# Altium PCB PCB-Tester-Relay-Board.PcbDoc (part 2 of 4) (continued)
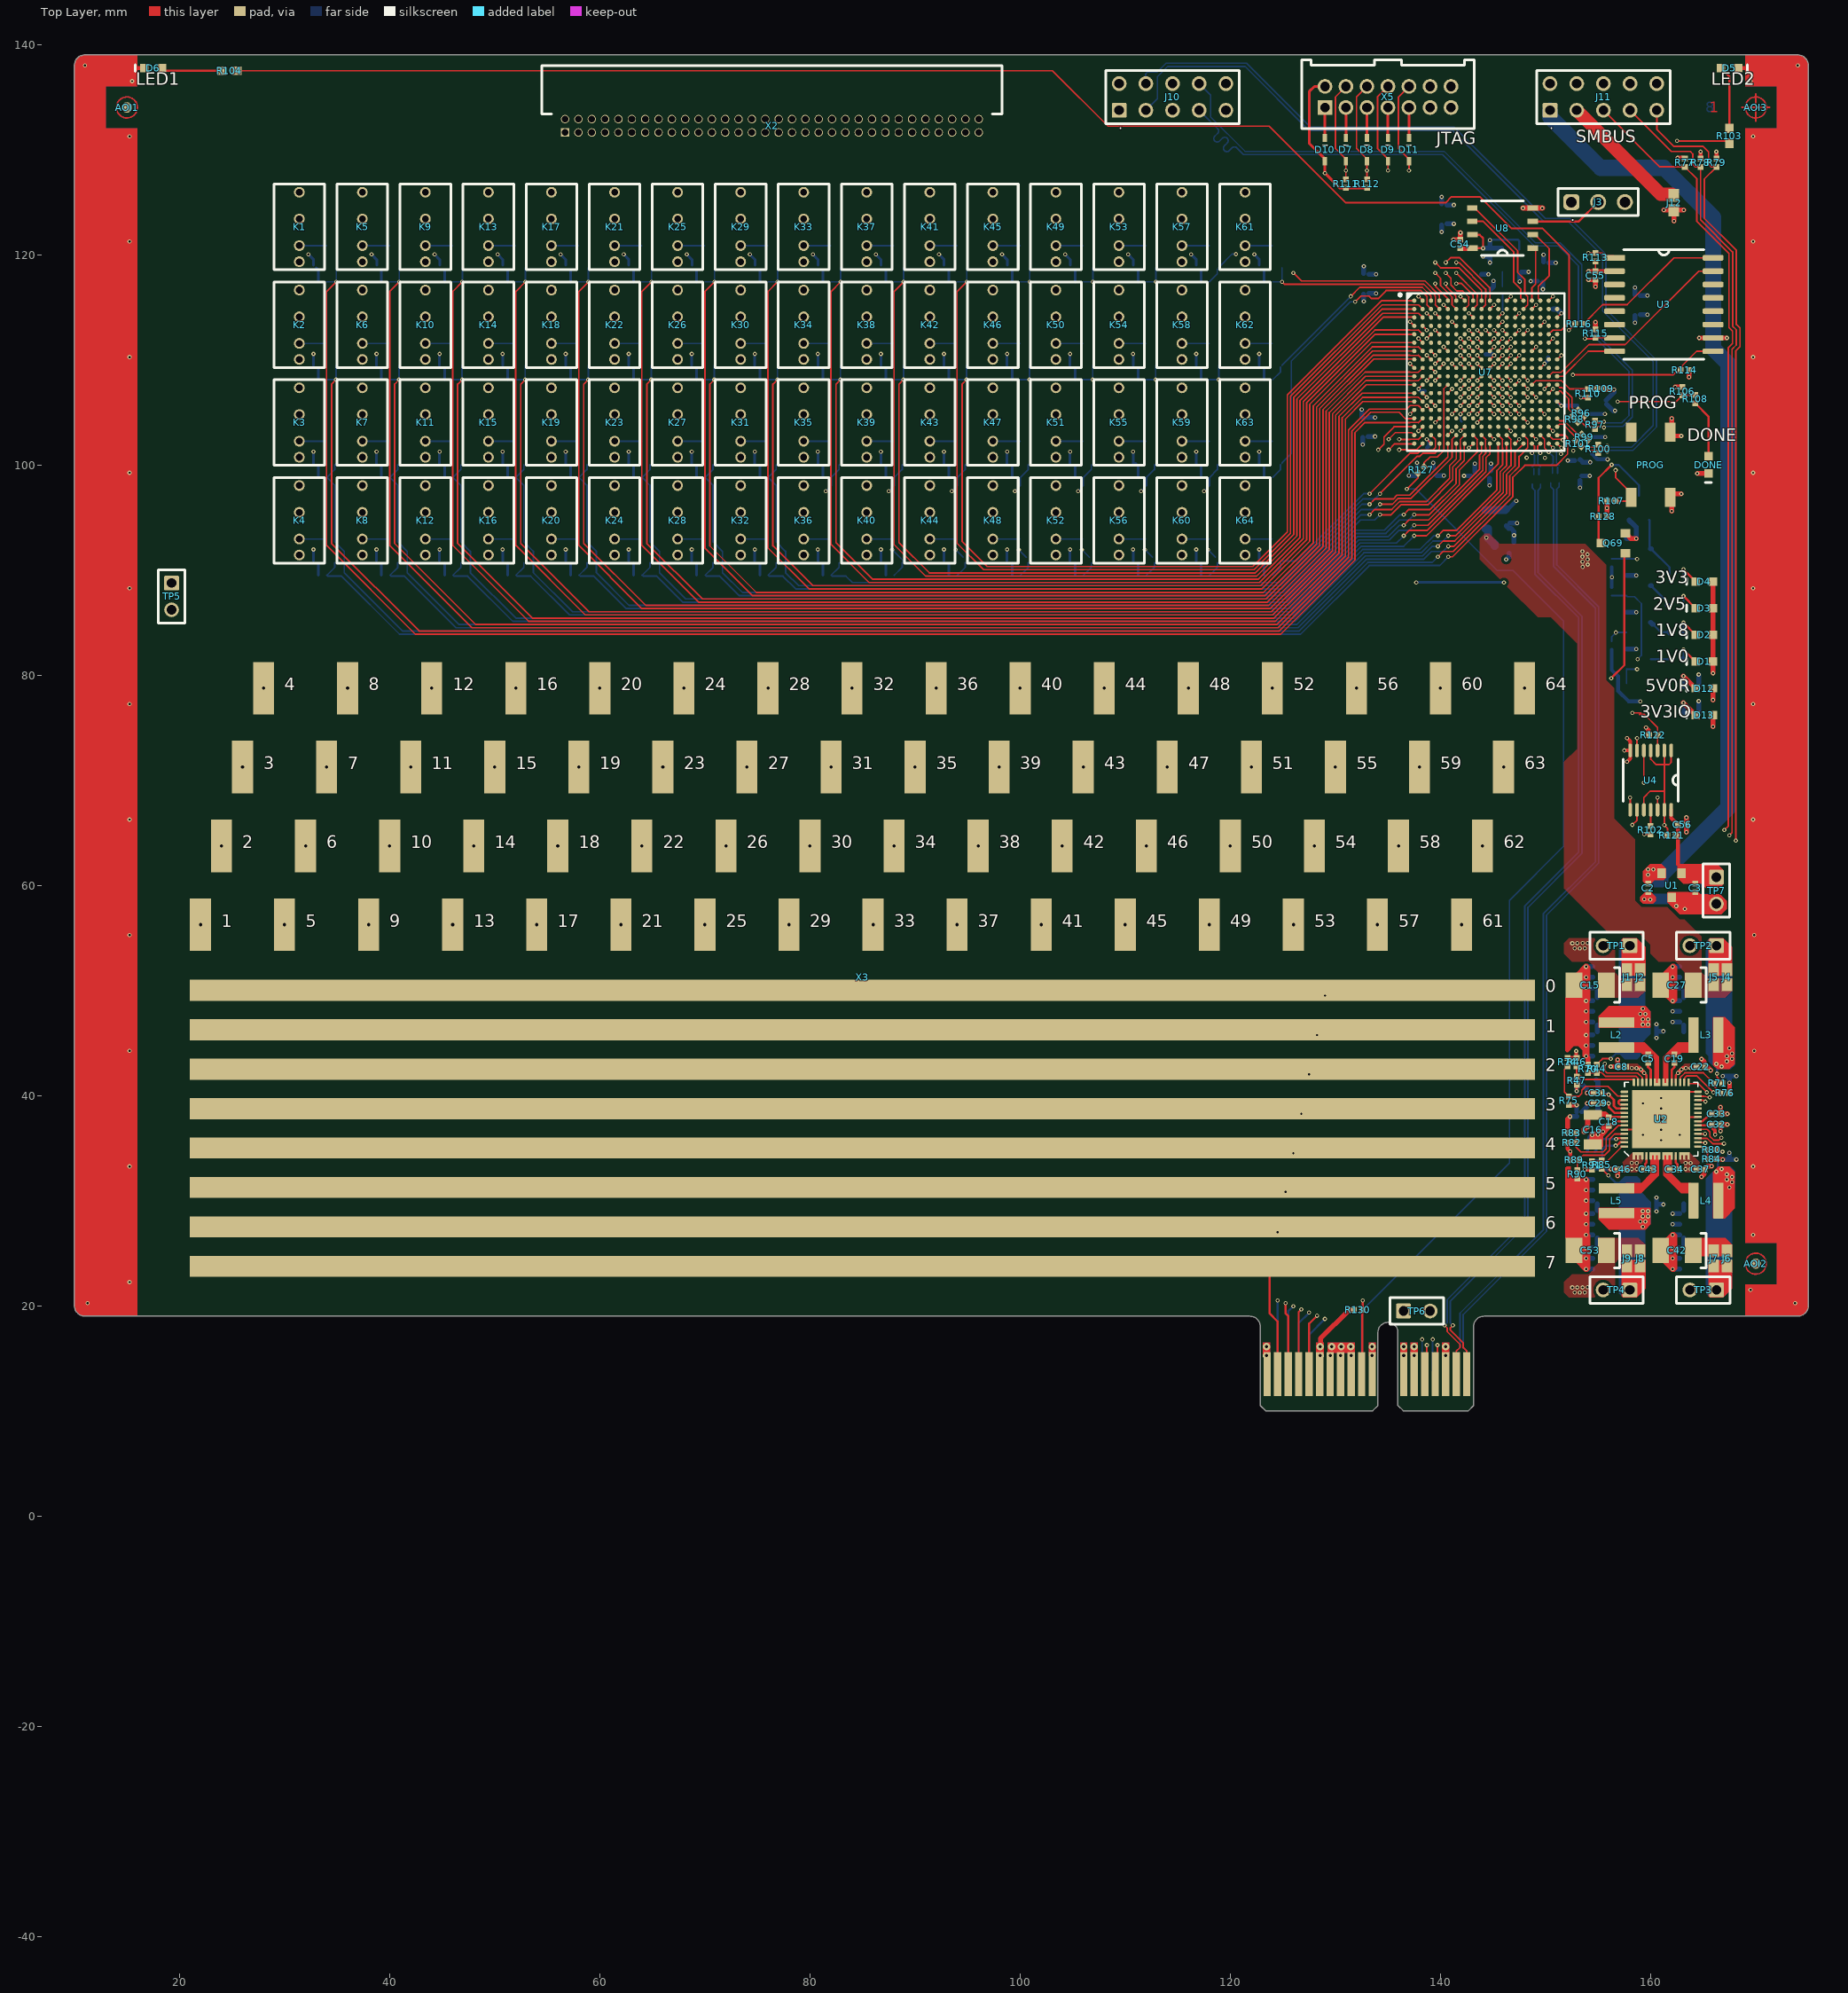
[diagram p0: Top Layer view]
## Nets (pads, with @x,y where several pads share a name; then routed paths per layer and width w, separated by ;. In a path a pad name is that pad's centre, name@x,y a point inside that pad or via, vN(x,y) a via of type N, cw(c..) or ccw(c..) an arc to the next point about the centre after c; other vN are vias at no path point) (continued)
  Top Layer w0.457: v1(165.925,77.634) 165.925,78.34
  Inner5 w0.254: 120.035,88.805 v1(137.692,88.805) ; v1(146.04,88.805) 153.121,88.805 163.384,78.542 165.018,78.542 v1(165.925,77.634)
  Inner5 w0.762: 29.75,90 29.75,91.436 ; 29.766,100.722 K3.1@31.402,100.722 ; 29.766,110.024 K2.1@31.402,110.024 ; K4.1@31.402,91.42 29.766,91.42 29.75,91.436 ; K1.1@31.402,119.326 29.75,117.674 29.75,110.024 29.75,100.722 29.75,91.436 ; 35.75,90 35.75,91.42 35.75,100.722 35.75,110.024 35.75,117.674 K5.1@37.402,119.326 ; 35.766,91.42 K8.1@37.402,91.42 ; 35.766,100.722 K7.1@37.402,100.722 ; 35.766,110.024 K6.1@37.402,110.024 ; 41.75,90 41.75,91.42 41.75,100.722 41.75,110.024 41.75,117.674 K9.1@43.402,119.326 ; 41.766,91.42 K12.1@43.402,91.42 ; 41.766,100.722 K11.1@43.402,100.722 ; 41.766,110.024 K10.1@43.402,110.024 ; 47.75,90 47.75,91.42 47.75,100.722 47.75,110.024 47.75,117.674 K13.1@49.402,119.326 ; 47.766,91.42 K16.1@49.402,91.42 ; 47.766,100.722 K15.1@49.402,100.722 ; 47.766,110.024 K14.1@49.402,110.024 ; 53.75,90 53.75,91.42 53.75,100.722 53.75,110.024 53.75,117.674 K17.1@55.402,119.326 ; 53.766,91.42 K20.1@55.402,91.42 ; 53.766,100.722 K19.1@55.402,100.722 ; 53.766,110.024 K18.1@55.402,110.024 ; 59.75,90 59.75,91.42 59.75,100.722 59.75,110.024 59.75,117.674 K21.1@61.402,119.326 ; 59.766,91.42 K24.1@61.402,91.42 ; 59.766,100.722 K23.1@61.402,100.722 ; 59.766,110.024 K22.1@61.402,110.024 ; 65.75,90 65.75,91.42 65.75,100.722 65.75,110.024 65.75,117.674 K25.1@67.402,119.326 ; 65.766,91.42 K28.1@67.402,91.42 ; 65.766,100.722 K27.1@67.402,100.722 ; 65.766,110.024 K26.1@67.402,110.024 ; 71.75,90 71.75,91.42 71.75,100.722 71.75,110.024 71.75,117.674 K29.1@73.402,119.326 ; 71.766,91.42 K32.1@73.402,91.42 ; 71.766,100.722 K31.1@73.402,100.722 ; 71.766,110.024 K30.1@73.402,110.024 ; 77.75,90 77.75,91.42 77.75,100.722 77.75,110.024 77.75,117.674 K33.1@79.402,119.326 ; 77.766,91.42 K36.1@79.402,91.42 ; 77.766,100.722 K35.1@79.402,100.722 ; 77.766,110.024 K34.1@79.402,110.024 ; 83.75,90 83.75,91.42 83.75,100.722 83.75,110.024 83.75,117.674 K37.1@85.402,119.326 ; 83.766,91.42 K40.1@85.402,91.42 ; 83.766,100.722 K39.1@85.402,100.722 ; 83.766,110.024 K38.1@85.402,110.024 ; 89.75,90 89.75,91.42 89.75,100.722 89.75,110.024 89.75,117.674 K41.1@91.402,119.326 ; 89.766,91.42 K44.1@91.402,91.42 ; 89.766,100.722 K43.1@91.402,100.722 ; 89.766,110.024 K42.1@91.402,110.024 ; 95.75,90 95.75,91.42 95.75,100.722 95.75,110.024 95.75,117.674 K45.1@97.402,119.326 ; 95.766,91.42 K48.1@97.402,91.42 ; 95.766,100.722 K47.1@97.402,100.722 ; 95.766,110.024 K46.1@97.402,110.024 ; 101.75,90 101.75,91.42 101.75,100.722 101.75,110.024 101.75,117.674 K49.1@103.402,119.326 ; 101.766,91.42 K52.1@103.402,91.42 ; 101.766,100.722 K51.1@103.402,100.722 ; 101.766,110.024 K50.1@103.402,110.024 ; 107.75,90 107.75,91.42 107.75,100.722 107.75,110.024 107.75,117.674 K53.1@109.402,119.326 ; 107.766,91.42 K56.1@109.402,91.42 ; 107.766,100.722 K55.1@109.402,100.722 ; 107.766,110.024 K54.1@109.402,110.024 ; 113.75,90 113.75,91.42 113.75,100.722 113.75,110.024 113.75,117.674 K57.1@115.402,119.326 ; 113.766,91.42 K60.1@115.402,91.42 ; 113.766,100.722 K59.1@115.402,100.722 ; 113.766,110.024 K58.1@115.402,110.024 ; 119.75,90 119.75,91.42 119.75,100.722 119.75,110.024 119.75,117.674 K61.1@121.402,119.326 ; 119.766,91.42 K64.1@121.402,91.42 ; 119.766,100.722 K63.1@121.402,100.722 ; 119.766,110.024 K62.1@121.402,110.024
  Inner5 w2.54: 20.75,88.805 29.75,88.805 35.75,88.805 41.75,88.805 47.75,88.805 53.75,88.805 59.75,88.805 65.75,88.805 71.75,88.805 77.75,88.805 83.75,88.805 89.75,88.805 95.75,88.805 101.75,88.805 107.75,88.805 112,88.805 ; 120.035,88.805 113.75,88.805 112,88.805 ; 131,16.272 131,19.837 127.222,23.614 124.147,23.614 121.423,26.338 121.423,57.577 117,62 117,72.572 112,77.572 112,88.805
  Bottom Layer w0.254: v1(137.692,88.805) v1(146.04,88.805)
  other v2: 129.5,15.248 130.5,15.248 131.5,15.248 129.65,16.1 130.55,16.1 131.45,16.1
12V0: C1.1 C2.1 C6.1 C7.1 C8.1 C16.1 C18.1 C20.1 C21.1 C22.1 C35.1 C36.1 C37.1 C44.1 C45.1 C46.1 J11.1 TP6.1 U1.2 U2.1 U2.12 U2.32 U2.39 U2.49 X4.A11 X4.A12 X4.B11 X4.B12 | length 94.9
  Top Layer w0.22: C18.1@156,37.9 156.05,37.95 U2.49@157.5,37.95 ; v1(159.392,42.145) 159.6,41.938 U2.39@159.6,41.25 ; U2.32@162.4,41.25 162.4,41.938 v1(162.608,42.145)
  Top Layer w0.381: v1@158.8,42.61 158.927,42.61 ; 163.073,42.61 v1@163.2,42.61
  Top Layer w0.406: 158.927,42.61 159.068,42.469 v1(159.392,42.145) ; v1(162.608,42.145) 162.932,42.469 163.073,42.61
  Top Layer w0.5: v1(153.669,36.53) 153.669,36.791 153.878,37 v1(154,37) 154,37.925 154.225,38.15 C16.1@154.5,38.15 154.6,38.25 155.65,38.25 C18.1@156,37.9
  Bottom Layer w1.524: J11.1@150.42,133.73 150.42,133.08 155.25,128.25 161.244,128.25 165.935,123.559 165.935,111.065 167.394,109.606 167.394,67.404 160.971,60.981
  other v1: 158.2,33 158.682,33 163.318,33 163.8,33 158.2,33.566 158.675,33.566 163.325,33.566 163.8,33.566 159.075,42.476 162.925,42.476 158.199,42.602 158.656,42.602 163.344,42.602 163.801,42.602 159.75,61 159.75,61.5 160.25,61.5
  other v2: 133.5,15.248 136.5,15.248 133.5,16.1 136.5,16.1
\CS_1: R121.1 U4.1 U4.2 U4.4 U4.10 U4.13 X4.B15 | length 78.2
  Top Layer w0.152: X4.B15@139.5,13.5 139.704,13.704 v1(139.704,16.256) ; U4.10@159.35,67.175 159.35,68.35 159.949,68.949 161.3,68.949 ; U4.4@160,72.825 160,72 160.521,71.479 161.3,71.479 ; U4.2@161.3,72.825 161.3,71.479 ; R121.1@161.6,64.75 161.6,65.431 v1(161.3,65.731) U4.13@161.3,67.175 161.3,68.949 ; U4.1@161.95,72.825 161.95,71.7 161.729,71.479 161.3,71.479 ; 161.3,68.949 161.3,71.479
  Inner2 w0.152: v1(139.704,16.256) 140.218,16.77 141.675,16.77 142.385,17.481 142.385,47.385 156.375,61.375 159.25,64.25 159.819,64.25 v1(161.3,65.731)
A0_1: R120.2 X4.B18 | length 92.5
  Top Layer w0.152: v1(141.175,18.125) 140.94,17.89 140.94,17.672 142.165,16.447 142.165,16.011 142.5,15.676 X4.B18@142.5,13.5
  Bottom Layer w0.152: v1(141.175,18.125) 140.94,18.36 140.94,20.439 148.317,27.816 148.317,57.885 153.453,63.021 153.453,85.582 149.289,89.745 149.289,97.585 149.524,97.82 R120.2@149.524,98.171
A1_1: R118.2 X4.A18 | length 92
  Bottom Layer w0.152: X4.A18@142.5,13.5 142.5,15.676 142.163,16.013 142.163,19.163 150.084,27.084 150.084,57.153 155.045,62.114 155.045,86.488 151.056,90.477 151.056,97.682 151.291,97.917 R118.2@151.291,98.268
A2_1: R119.2 X4.B17 | length 92.6
  Top Layer w0.152: v1(140.375,18.125) 140.635,17.865 140.635,17.546 141.86,16.321 141.86,16.037 141.5,15.676 X4.B17@141.5,13.5
  Bottom Layer w0.152: v1(140.375,18.125) 140.635,18.385 140.635,20.565 148.012,27.942 148.012,58.011 153.148,63.147 153.148,85.456 148.985,89.619 148.985,97.559 148.724,97.82 R119.2@148.724,98.171
A3_1: R117.2 X4.A17 | length 92
  Bottom Layer w0.152: X4.A17@141.5,13.5 141.5,15.676 141.858,16.034 141.858,19.289 149.779,27.21 149.779,57.279 154.74,62.24 154.74,86.362 150.752,90.351 150.752,97.656 150.491,97.917 R117.2@150.491,98.268
ABUS0: X3.ABUS0 X4.A5 | length 36.6
  Inner2 w0.203: v1(129,18.745) v1(129,49.5)
  Bottom Layer w0.203: X4.A5@127.5,13.5 127.5,17.245 v1(129,18.745)
ABUS1: X3.ABUS1 X4.B5 | length 32.6
  Top Layer w0.203: X4.B5@127.5,13.5 127.5,18.296 v1(128.25,19.046)
  Inner2 w0.203: v1(128.25,19.046) v1(128.25,45.75)
ABUS2: X3.ABUS2 X4.A4 | length 28.9
  Inner2 w0.203: v1(127.5,19.347) v1(127.5,42)
  Bottom Layer w0.203: X4.A4@126.5,13.5 126.5,18.347 v1(127.5,19.347)
ABUS3: X3.ABUS3 X4.B4 | length 24.9
  Top Layer w0.203: X4.B4@126.5,13.5 126.5,19.398 v1(126.75,19.648)
  Inner2 w0.203: v1(126.75,19.648) v1(126.75,38.25)
ABUS4: X3.ABUS4 X4.A3 | length 21.2
  Inner2 w0.203: v1(126,19.949) v1(126,34.5)
  Bottom Layer w0.203: X4.A3@125.5,13.5 125.5,19.449 v1(126,19.949)
ABUS5: X3.ABUS5 X4.B3 | length 17.4
  Top Layer w0.203: v1(125.25,20.25) 125.25,19.288 125.5,19.038 X4.B3@125.5,13.5
  Inner2 w0.203: v1(125.25,20.25) v1(125.25,30.83)
ABUS6: X3.ABUS6 X4.A2 | length 13.5
  Inner2 w0.203: v1(124.5,20.5) v1(124.5,27)
  Bottom Layer w0.203: X4.A2@124.5,13.5 v1(124.5,20.5)
ABUS7: X3.ABUS7 X4.B2 | length 49.8
  Top Layer w0.203: X3.ABUS7@85,23.75 X3.ABUS7@124.5,23.75 ; X3.ABUS7@123.75,23.5 123.75,19.25 124.5,18.5 X4.B2@124.5,13.5
DRV1: Q1.1 R1.2 U7.R2 | length 151.1
  Top Layer w0.127: 137.1,104.021 137.9,104.021
  Top Layer w0.152: v1(34.916,117.406) 34,116.49 34,92.334 42.445,83.89 124.79,83.89 131.86,90.96 131.86,103.056 132.825,104.021 137.1,104.021 ; 137.9,104.021 U7.R2@138.3,104.421
  Bottom Layer w0.152: R1.2@34.025,117.406 v1(34.916,117.406) Q1.1@34.916,118.746
DRV2: Q2.1 R2.2 U7.R1 | length 140.4
  Top Layer w0.152: v1(34.897,108.104) 34.471,107.677 34.471,92.529 42.805,84.195 124.664,84.195 131.555,91.086 131.555,103.182 133.373,105 136.049,105 136.668,104.381 137.459,104.381 U7.R1@137.5,104.421
  Bottom Layer w0.152: R2.2@34.006,108.104 v1(34.897,108.104) Q2.1@34.897,109.444
DRV3: Q3.1 R3.2 U7.U14 | length 136.6
  Top Layer w0.127: 148.3,101.621 148.3,102.421
  Top Layer w0.152: v1(139.75,91.25) 140.25,91.75 141.21,91.75 146.586,97.126 146.586,98.952 147.474,99.84 147.474,100.795 148.3,101.621 ; U7.U14@147.9,102.821 148.3,102.421
  Bottom Layer w0.152: Q3.1@34.916,100.142 34.776,100.002 34.776,99.553 R3.2@34.025,98.802 34.774,98.053 34.774,92.672 35.679,91.767 35.679,89.739 41.223,84.195 126.558,84.195 133.089,90.726 139.226,90.726 v1(139.75,91.25)
DRV4: Q4.1 R4.2 U7.U18 | length 132.7
  Top Layer w0.152: v1(140.75,91.25) 141.141,91.25 146.891,97 146.891,98.826 148.024,99.959 151.039,99.959 152.096,101.016 152.096,102.599 151.874,102.821 U7.U18@151.1,102.821
  Bottom Layer w0.152: Q4.1@34.776,90.7 34.776,90.251 R4.2@34.025,89.5 34.122,89.403 35.425,89.403 40.938,83.89 126.684,83.89 133.216,90.421 139.921,90.421 v1(140.75,91.25)
DRV5: Q5.1 R5.2 U7.P2 | length 145.2
  Top Layer w0.127: 137.1,105.621 137.9,105.621
  Top Layer w0.152: v1(40.916,117.406) 40,116.49 40,92.334 47.835,84.499 124.538,84.499 131.25,91.212 131.25,103.308 133.247,105.305 136.784,105.305 137.1,105.621 ; 137.9,105.621 U7.P2@138.3,105.221
  Bottom Layer w0.152: R5.2@40.025,117.406 v1(40.916,117.406) Q5.1@40.916,118.746
DRV6: Q6.1 R6.2 U7.N1 | length 134.6
  Top Layer w0.152: v1(40.897,108.104) 40.471,107.677 40.471,92.529 48.196,84.804 124.411,84.804 130.946,91.339 130.946,104.353 132.614,106.021 U7.N1@137.5,106.021
  Bottom Layer w0.152: R6.2@40.006,108.104 R6.2@40.025,108.104 v1(40.897,108.104) Q6.1@40.897,109.444
DRV7: Q7.1 R7.2 U7.U12 | length 128.7
  Top Layer w0.127: 146.7,101.621 146.7,102.421
  Top Layer w0.152: v1(139.75,92.25) 140.25,92.75 141.348,92.75 145.976,97.379 145.976,99.205 146.7,99.928 146.7,101.621 ; U7.U12@146.3,102.821 146.7,102.421
  Bottom Layer w0.152: Q7.1@40.776,100.002 40.776,99.553 40.025,98.802 40.774,98.053 40.774,92.672 41.679,91.767 41.679,89.739 46.614,84.804 126.306,84.804 132.837,91.336 138.301,91.336 139.215,92.25 v1(139.75,92.25)
DRV8: Q8.1 R8.2 U7.V14 | length 120.4
  Top Layer w0.152: v1(140.75,92.25) 141.279,92.25 146.281,97.252 146.281,99.078 147.09,99.888 147.09,101.211 U7.V14@147.9,102.021
  Bottom Layer w0.152: R8.2@40.025,89.5 40.776,90.251 Q8.1@40.776,90.7 ; R8.2@40.122,89.403 41.425,89.403 46.329,84.499 126.432,84.499 132.963,91.031 138.427,91.031 139.146,91.75 140.25,91.75 v1(140.75,92.25)
DRV9: Q9.1 R9.2 U7.N2 | length 139.6
  Top Layer w0.127: 137.1,106.421 137.9,106.421
  Top Layer w0.152: v1(46.916,117.406) 46,116.49 46,92.334 53.225,85.109 124.285,85.109 130.641,91.465 130.641,104.479 132.583,106.421 137.1,106.421 ; 137.9,106.421 U7.N2@138.3,106.021
  Bottom Layer w0.152: R9.2@46.025,117.406 v1(46.916,117.406) Q9.1@46.916,118.746
DRV10: Q10.1 R10.2 U7.M1 | length 128.4
  Top Layer w0.152: v1(46.897,108.104) 46.471,107.677 46.471,92.529 53.586,85.414 124.159,85.414 130.336,91.591 130.336,104.605 132.552,106.821 U7.M1@137.5,106.821
  Bottom Layer w0.152: R10.2@46.006,108.104 v1(46.897,108.104) Q10.1@46.897,109.444
DRV11: Q11.1 R11.2 U7.U11 | length 121.4
  Top Layer w0.127: 145.9,101.621 145.9,102.421
  Top Layer w0.152: v1(139.75,93.25) 140.25,93.75 141.486,93.75 145.367,97.631 145.367,99.457 145.9,99.99 145.9,101.621 ; U7.U11@145.5,102.821 145.9,102.421
  Bottom Layer w0.152: Q11.1@46.776,100.002 46.776,99.553 R11.2@46.025,98.802 46.774,98.053 46.774,92.672 47.679,91.767 47.679,89.739 52.004,85.414 126.053,85.414 132.584,91.945 138.048,91.945 139.353,93.25 v1(139.75,93.25)
DRV12: Q12.1 R12.2 U7.V12 | length 112.7
  Top Layer w0.152: v1(140.75,93.25) 141.417,93.25 145.671,97.505 145.671,99.331 146.3,99.959 U7.V12@146.3,102.021
  Bottom Layer w0.152: R12.2@46.025,89.5 46.776,90.251 Q12.1@46.776,90.7 ; R12.2@46.122,89.403 47.425,89.403 51.719,85.109 126.179,85.109 132.711,91.64 138.174,91.64 139.284,92.75 140.25,92.75 v1(140.75,93.25)
DRV13: Q13.1 R13.2 U7.L1 | length 132.6
  Top Layer w0.152: v1(52.916,117.406) 52,116.49 52,92.334 58.616,85.719 124.033,85.719 130.031,91.717 130.031,104.731 132.92,107.621 U7.L1@137.5,107.621
  Bottom Layer w0.152: R13.2@52.025,117.406 v1(52.916,117.406) Q13.1@52.916,118.746
DRV14: Q14.1 R14.2 U7.K2 | length 123.4
  Top Layer w0.127: 137.1,108.021 137.9,108.021
  Top Layer w0.152: v1(52.897,108.104) 52.471,107.677 52.471,92.529 58.977,86.023 123.906,86.023 129.726,91.844 129.726,104.858 132.889,108.021 137.1,108.021 ; 137.9,108.021 U7.K2@138.3,108.421
  Bottom Layer w0.152: R14.2@52.006,108.104 R14.2@52.025,108.104 v1(52.897,108.104) Q14.1@52.897,109.444
DRV15: Q15.1 R15.2 U7.V10 | length 111.8
  Top Layer w0.152: v1(136.5,93.25) 137,93.75 138.724,93.75 144.333,99.359 144.333,100.679 144.7,101.046 U7.V10@144.7,102.021
  Bottom Layer w0.152: Q15.1@52.776,100.002 52.776,99.553 R15.2@52.025,98.802 52.774,98.053 52.774,92.672 53.679,91.767 53.679,89.739 57.395,86.023 125.801,86.023 132.332,92.555 135.805,92.555 v1(136.5,93.25)
DRV16: Q16.1 R16.2 U7.V11 | length 104.3
  Top Layer w0.152: v1(137.5,93.25) 138.655,93.25 145.5,100.094 U7.V11@145.5,102.021
  Bottom Layer w0.152: R16.2@52.025,89.5 52.776,90.251 Q16.1@52.776,90.7 ; R16.2@52.122,89.403 53.425,89.403 57.109,85.719 125.927,85.719 132.458,92.25 136.5,92.25 v1(137.5,93.25)
DRV17: Q17.1 R17.2 U7.K1 | length 126.4
  Top Layer w0.152: v1(58.916,117.406) 58,116.49 58,92.334 64.006,86.328 123.78,86.328 129.422,91.97 129.422,104.984 132.858,108.421 U7.K1@137.5,108.421
  Bottom Layer w0.152: R17.2@58.025,117.406 v1(58.916,117.406) Q17.1@58.916,118.746
DRV18: Q18.1 R18.2 U7.J2 | length 117.2
  Top Layer w0.127: 137.1,108.821 137.9,108.821
  Top Layer w0.152: v1(58.897,108.104) 58.471,107.677 58.471,92.529 64.367,86.633 123.654,86.633 129.117,92.096 129.117,105.11 132.827,108.821 137.1,108.821 ; 137.9,108.821 U7.J2@138.3,109.221
  Bottom Layer w0.152: R18.2@58.006,108.104 R18.2@58.025,108.104 v1(58.897,108.104) Q18.1@58.897,109.444
DRV19: Q19.1 R19.2 U7.V9 | length 104.4
  Top Layer w0.152: v1(136.5,94.25) 137,94.75 138.862,94.75 143.723,99.611 143.723,100.932 143.9,101.108 U7.V9@143.9,102.021
  Bottom Layer w0.152: Q19.1@58.776,100.002 58.776,99.553 R19.2@58.025,98.802 58.774,98.053 58.774,92.672 59.679,91.767 59.679,89.739 62.785,86.633 125.548,86.633 132.079,93.164 135.002,93.164 136.088,94.25 v1(136.5,94.25)
DRV20: Q20.1 R20.2 U7.U9 | length 97.8
  Top Layer w0.127: 144.3,101.621 144.3,102.421
  Top Layer w0.152: v1(137.5,94.25) 138.793,94.25 144.028,99.485 144.028,100.806 144.3,101.077 144.3,101.621 ; U7.U9@143.9,102.821 144.3,102.421
  Bottom Layer w0.152: R20.2@58.025,89.5 58.776,90.251 Q20.1@58.776,90.7 ; R20.2@58.122,89.403 59.425,89.403 62.5,86.328 125.674,86.328 132.206,92.86 135.129,92.86 136.019,93.75 137,93.75 v1(137.5,94.25)
DRV21: Q21.1 R21.2 U7.H1 | length 120.6
  Top Layer w0.152: v1(64.916,117.406) 64,116.49 64,92.334 69.397,86.938 123.528,86.938 128.812,92.222 128.812,105.237 133.636,110.061 137.46,110.061 U7.H1@137.5,110.021
  Bottom Layer w0.152: R21.2@64.025,117.406 v1(64.916,117.406) Q21.1@64.916,118.746
DRV22: Q22.1 R22.2 U7.H2 | length 111.4
  Top Layer w0.127: 137.1,110.421 137.9,110.421
  Top Layer w0.152: v1(64.897,108.104) 64.471,107.677 64.471,92.529 69.757,87.243 123.401,87.243 128.507,92.349 128.507,105.363 133.565,110.421 137.1,110.421 ; 137.9,110.421 U7.H2@138.3,110.021
  Bottom Layer w0.152: R22.2@64.006,108.104 R22.2@64.025,108.104 v1(64.897,108.104) Q22.1@64.897,109.444
DRV23: Q23.1 R23.2 U7.V7 | length 96.8
  Top Layer w0.152: v1(136.5,95.25) 137,95.75 139,95.75 141.484,98.234 141.484,99.626 142.26,100.402 142.26,101.981 U7.V7@142.3,102.021
  Bottom Layer w0.152: Q23.1@64.776,100.002 64.776,99.553 R23.2@64.025,98.802 64.774,98.053 64.774,92.672 65.679,91.767 65.679,89.739 68.175,87.243 125.296,87.243 131.827,93.774 134.681,93.774 136.157,95.25 v1(136.5,95.25)
DRV24: Q24.1 R24.2 U7.U8 | length 90.4
  Top Layer w0.127: 143.5,101.621 143.5,102.421
  Top Layer w0.152: v1(137.5,95.25) 138.931,95.25 141.789,98.108 141.789,99.5 143.5,101.211 143.5,101.621 ; U7.U8@143.1,102.821 143.5,102.421
  Bottom Layer w0.152: R24.2@64.025,89.5 64.776,90.251 Q24.1@64.776,90.7 ; R24.2@64.122,89.403 65.425,89.403 67.89,86.938 125.422,86.938 131.953,93.469 134.807,93.469 136.088,94.75 137,94.75 v1(137.5,95.25)
DRV25: Q25.1 R25.2 U7.G1 | length 114.6
  Top Layer w0.152: v1(70.916,117.406) 70,116.49 70,92.09 74.542,87.547 123.275,87.547 128.202,92.475 128.202,105.489 133.534,110.821 U7.G1@137.5,110.821
  Bottom Layer w0.152: R25.2@70.025,117.406 v1(70.916,117.406) Q25.1@70.916,118.746
DRV26: Q26.1 R26.2 U7.G2 | length 105.4
  Top Layer w0.127: 137.1,111.221 137.9,111.221
  Top Layer w0.152: v1(70.897,108.104) 70.471,107.677 70.471,92.285 74.903,87.852 123.149,87.852 127.898,92.601 127.898,105.615 133.503,111.221 137.1,111.221 ; 137.9,111.221 U7.G2@138.3,110.821
  Bottom Layer w0.152: R26.2@70.006,108.104 R26.2@70.025,108.104 v1(70.897,108.104) Q26.1@70.897,109.444
DRV27: Q27.1 R27.2 U7.V6 | length 89.3
  Top Layer w0.152: v1(133.25,95.25) 133.75,95.75 135.362,95.75 136.113,96.501 138.664,96.501 140.865,98.702 140.865,99.919 141.5,100.554 U7.V6@141.5,102.021
  Bottom Layer w0.152: Q27.1@70.776,100.002 70.776,99.553 R27.2@70.025,98.802 70.774,98.053 70.774,92.672 71.679,91.767 71.679,89.739 73.566,87.852 125.043,87.852 132.441,95.25 v1(133.25,95.25)
DRV28: Q28.1 R28.2 U7.U7 | length 82.6
  Top Layer w0.127: 141.9,101.621 141.9,102.421
  Top Layer w0.152: v1(134.25,95.25) 135.293,95.25 136.239,96.196 138.79,96.196 141.17,98.576 141.17,99.793 141.9,100.523 141.9,101.621 ; 141.9,102.421 U7.U7@142.3,102.821
  Bottom Layer w0.152: R28.2@70.025,89.5 70.776,90.251 Q28.1@70.776,90.7 ; R28.2@70.122,89.403 71.425,89.403 73.281,87.547 125.169,87.547 132.372,94.75 133.75,94.75 v1(134.25,95.25)
DRV29: Q29.1 R29.2 U7.F1 | length 108.4
  Top Layer w0.152: v1(76.916,117.406) 76,116.49 76,92.097 79.902,88.195 123.007,88.195 127.555,92.743 127.555,105.757 133.418,111.621 U7.F1@137.5,111.621
  Bottom Layer w0.152: R29.2@76.025,117.406 v1(76.916,117.406) Q29.1@76.916,118.746
DRV30: Q30.1 R30.2 U7.E1 | length 98.4
  Top Layer w0.152: v1(76.897,108.104) 76.471,107.677 76.471,92.292 80.262,88.5 122.881,88.5 127.25,92.869 127.25,105.884 133.787,112.421 U7.E1@137.5,112.421
  Bottom Layer w0.152: R30.2@76.006,108.104 v1(76.897,108.104) Q30.1@76.897,109.444
DRV31: Q31.1 R31.2 U7.V5 | length 81.1
  Top Layer w0.152: v1(133.25,96.25) 133.75,96.75 135.5,96.75 135.861,97.111 137.074,97.111 140.7,100.736 U7.V5@140.7,102.021
  Bottom Layer w0.152: Q31.1@76.776,100.002 76.776,99.553 R31.2@76.025,98.802 76.774,98.053 76.774,92.672 77.679,91.767 77.679,89.739 78.918,88.5 124.775,88.5 132.525,96.25 v1(133.25,96.25)
DRV32: Q32.1 R32.2 U7.U6 | length 74.5
  Top Layer w0.127: 141.1,101.621 141.1,102.421
  Top Layer w0.152: v1(134.25,96.25) 135.431,96.25 135.987,96.806 137.2,96.806 141.1,100.705 141.1,101.621 ; 141.1,102.421 U7.U6@141.5,102.821
  Bottom Layer w0.152: R32.2@76.025,89.5 76.776,90.251 Q32.1@76.776,90.7 ; R32.2@76.122,89.403 77.425,89.403 78.633,88.195 124.901,88.195 132.456,95.75 133.75,95.75 v1(134.25,96.25)
DRV33: Q33.1 R33.2 U7.E2 | length 103.1
  Top Layer w0.127: 137.1,112.821 137.9,112.821
  Top Layer w0.152: v1(82.916,117.406) 82,116.49 82,92.422 85.618,88.805 122.754,88.805 126.945,92.996 126.945,106.01 133.756,112.821 137.1,112.821 ; 137.9,112.821 U7.E2@138.3,112.421
  Bottom Layer w0.152: R33.2@82.025,117.406 v1(82.916,117.406) Q33.1@82.916,118.746
DRV34: Q34.1 R34.2 U7.C1 | length 92.3
  Top Layer w0.152: v1(82.897,108.104) 82.471,107.677 82.471,92.617 85.978,89.11 122.628,89.11 126.64,93.122 126.64,106.136 134.565,114.061 U7.C1@137.46,114.061
  Bottom Layer w0.152: R34.2@82.006,108.104 R34.2@82.025,108.104 v1(82.897,108.104) Q34.1@82.897,109.444
DRV35: Q35.1 R35.2 U7.M2 | length 68.9
  Top Layer w0.152: U7.M2@138.3,106.821 v1(138.7,106.421)
  Inner4 w0.152: v1(81.5,97.5) 84.744,94.256 122.437,94.256 124.522,96.341 124.522,99.267 131.434,106.179 138.414,106.179 138.656,106.421 v1(138.7,106.421)
  Bottom Layer w0.152: v1(81.5,97.5) 82.025,98.025 R35.2@82.025,98.802 82.776,99.553 Q35.1@82.776,100.002
DRV36: Q36.1 R36.2 U7.V4 | length 65.3
  Top Layer w0.152: v1(134.25,97.25) 134.25,97.297 137.749,100.796 138.004,100.796 138.323,101.115 139.488,101.115 139.9,101.526 U7.V4@139.9,102.021
  Bottom Layer w0.152: R36.2@82.025,89.5 82.776,90.251 Q36.1@82.776,90.7 ; R36.2@82.122,89.403 83.425,89.403 84.023,88.805 124.649,88.805 132.594,96.75 133.75,96.75 v1(134.25,97.25)
DRV37: Q37.1 R37.2 U7.C2 | length 97.3
  Top Layer w0.127: 137.1,114.421 137.9,114.421
  Top Layer w0.152: v1(88.916,117.406) 88,116.49 88,92.409 90.995,89.414 122.502,89.414 126.335,93.248 126.335,106.262 134.494,114.421 137.1,114.421 ; 137.9,114.421 U7.C2@138.3,114.021
  Bottom Layer w0.152: R37.2@88.025,117.406 v1(88.916,117.406) Q37.1@88.916,118.746
DRV38: Q38.1 R38.2 U7.B1 | length 86.2
  Top Layer w0.152: v1(88.897,108.104) 88.471,107.677 88.471,92.604 91.356,89.719 122.376,89.719 126.031,93.374 126.031,106.389 134.463,114.821 U7.B1@137.5,114.821
  Bottom Layer w0.152: R38.2@88.006,108.104 R38.2@88.025,108.104 v1(88.897,108.104) Q38.1@88.897,109.444
DRV39: Q39.1 R39.2 U7.K3 | length 63.3
  Top Layer w0.152: v1(138.7,108.021) U7.K3@139.1,108.421
  Inner4 w0.152: v1(87.5,97.5) 90.439,94.561 122.311,94.561 124.217,96.467 124.217,99.393 131.36,106.536 136.534,106.536 138.018,108.021 v1(138.7,108.021)
  Bottom Layer w0.152: v1(87.5,97.5) 88.025,98.025 R39.2@88.025,98.802 88.776,99.553 Q39.1@88.776,100.002
DRV40: Q40.1 R40.2 U7.P3 | length 62
  Top Layer w0.152: v1(138.7,105.621) U7.P3@139.1,105.221
  Inner4 w0.152: v1(87.821,91.935) 89.837,93.952 122.564,93.952 124.827,96.215 124.827,99.141 131.503,105.817 138.451,105.817 138.648,105.621 v1(138.7,105.621)
  Bottom Layer w0.152: v1(87.821,91.935) 88.541,91.214 88.545,91.214 88.869,90.89 Q40.1@88.869,90.84 ; R40.2@88.025,89.5 88.776,90.251 Q40.1@88.776,90.7
DRV41: Q41.1 R41.2 U7.B2 | length 91
  Top Layer w0.127: 137.1,115.221 137.9,115.221
  Top Layer w0.152: v1(94.916,117.406) 94,116.49 94,92.538 96.514,90.024 122.249,90.024 125.726,93.501 125.726,106.515 134.432,115.221 137.1,115.221 ; 137.9,115.221 U7.B2@138.3,114.821
  Bottom Layer w0.152: R41.2@94.025,117.406 v1(94.916,117.406) Q41.1@94.916,118.746
DRV42: Q42.1 R42.2 U7.A1 | length 79.9
  Top Layer w0.152: v1(94.897,108.104) 94.471,107.677 94.471,92.733 96.874,90.329 122.123,90.329 125.421,93.627 125.421,106.641 134.401,115.621 U7.A1@137.5,115.621
  Bottom Layer w0.152: R42.2@94.006,108.104 R42.2@94.025,108.104 v1(94.897,108.104) Q42.1@94.897,109.444
DRV43: Q43.1 R48.2 U7.E3 | length 56.9
  Top Layer w0.152: v1(138.7,112.021) U7.E3@139.1,112.421
  Inner4 w0.152: v1(93.5,97.5) 94.508,96.492 122.34,96.492 123.901,98.052 123.901,99.549 136.852,112.5 138.22,112.5 v1(138.7,112.021)
  Bottom Layer w0.152: v1(93.5,97.5) 94.025,98.025 R48.2@94.025,98.802 94.776,99.553 Q43.1@94.776,100.002
DRV44: Q44.1 R49.2 U7.V2 | length 53.6
  Top Layer w0.152: v1(136.069,101.431) 137.71,101.431 U7.V2@138.3,102.021
  Inner4 w0.152: v1(93.868,91.935) 96.525,89.278 123.64,89.278 134.414,100.052 135.052,100.052 136.069,101.069 v1(136.069,101.431)
  Bottom Layer w0.152: v1(93.868,91.935) Q44.1@94.589,91.214 ; R49.2@94.025,89.5 94.776,90.251 Q44.1@94.776,90.7
DRV45: Q45.1 R50.2 U7.B7 | length 65
  Top Layer w0.127: 142.7,115.221 142.7,115.953
  Top Layer w0.152: v1(140.5,118.25) 140.526,118.224 141,117.75 141,117.102 141.555,116.546 142.106,116.546 142.7,115.953 ; U7.B7@142.3,114.821 142.7,115.221
  Inner4 w0.152: v1(100.916,117.406) 101.5,116.822 101.5,107.932 103.028,106.404 ; 103.028,106.404 106.148,106.404 106.759,105.794 111.897,105.794 114.131,103.56 119.269,103.56 119.575,103.254 125.005,103.254 135.655,113.904 135.655,115.068 136.307,115.72 136.307,116.446 137.611,117.75 140,117.75 v1(140.5,118.25)
  Bottom Layer w0.152: R50.2@100.025,117.406 v1(100.916,117.406) Q45.1@100.916,118.746
DRV46: Q46.1 R51.2 U7.A5 | length 54.7
  Top Layer w0.152: v1(139.5,117.25) 139.533,117.217 139.533,116.982 140.65,115.864 140.65,115.67 U7.A5@140.7,115.621
  Inner4 w0.152: v1@100.897,108.103 102.902,106.099 ; 102.902,106.1 106.022,106.1 108.868,103.254 116.373,103.254 119.827,99.799 121.983,99.799 135.96,113.777 135.96,114.941 136.613,115.593 136.613,116.319 137.544,117.25 v1(139.5,117.25)
  Bottom Layer w0.152: R51.2@100.006,108.104 R51.2@100.025,108.104 v1(100.897,108.104) Q46.1@100.897,109.444
DRV47: Q47.1 R52.2 U7.D2 | length 50.6
  Top Layer w0.152: U7.D2@138.3,113.221 v1(138.7,112.821)
  Inner4 w0.152: v1(99.5,97.5) 100.204,96.796 122.214,96.796 123.596,98.178 123.596,99.675 136.726,112.805 138.684,112.805 v1(138.7,112.821)
  Bottom Layer w0.152: v1(99.5,97.5) 100.025,98.025 100.025,98.802 100.776,99.553 Q47.1@100.776,100.002
DRV48: Q48.1 R53.2 U7.U2 | length 47.9
  Top Layer w0.127: 137.1,102.421 137.9,102.421
  Top Layer w0.152: v1(136.069,102.431) 136.079,102.421 137.1,102.421 ; 137.9,102.421 U7.U2@138.3,102.821
  Inner4 w0.152: v1(99.868,91.935) 102.22,89.583 123.514,89.583 134.287,100.356 134.831,100.356 135.544,101.07 135.544,101.906 v1(136.069,102.431)
  Bottom Layer w0.152: v1(99.868,91.935) Q48.1@100.589,91.214 ; R53.2@100.025,89.5 100.776,90.251 Q48.1@100.776,90.7
DRV49: Q49.1 R54.2 U7.B8 | length 59.5
  Top Layer w0.127: 143.5,115.221 143.5,115.953
  Top Layer w0.152: v1(141.5,118.25) 143.5,116.25 143.5,115.953 ; U7.B8@143.1,114.821 143.5,115.221
  Inner4 w0.152: v1(106.916,117.406) 107.5,116.822 107.5,107.931 ; 107.5,107.932 109.028,106.404 112.148,106.404 112.759,105.794 117.897,105.794 119.827,103.863 124.752,103.863 135.045,114.156 135.045,115.32 135.698,115.973 135.698,116.698 137.749,118.75 141,118.75 v1(141.5,118.25)
  Bottom Layer w0.152: R54.2@106.025,117.406 v1(106.916,117.406) Q49.1@106.916,118.746
DRV50: Q50.1 R55.2 U7.B6 | length 48.2
  Top Layer w0.127: 141.1,115.221 141.1,115.955
  Top Layer w0.152: v1(139.5,118.25) 140,117.75 140,117.061 141.1,115.962 141.1,115.955 ; 141.1,115.221 U7.B6@141.5,114.821
  Inner4 w0.152: v1(106.897,108.104) 108.902,106.1 112.022,106.1 114.259,103.863 ; 114.26,103.864 119.395,103.864 119.701,103.558 124.878,103.558 135.35,114.03 135.35,115.194 136.002,115.846 136.002,116.572 137.68,118.25 v1(139.5,118.25)
  Bottom Layer w0.152: R55.2@106.006,108.104 v1(106.897,108.104) Q50.1@106.897,109.444
DRV51: Q51.1 R56.2 U7.A6 | length 49.5
  Top Layer w0.152: v1(140.5,117.25) 140.542,117.208 140.542,116.99 141.463,116.069 141.463,115.657 U7.A6@141.5,115.621
  Inner4 w0.152: v1(105.5,97.5) 107.5,99.5 107.506,99.494 122.109,99.494 136.265,113.651 136.265,114.815 136.918,115.467 136.918,116.193 137.67,116.945 138.421,116.945 138.588,116.779 140.029,116.779 v1(140.5,117.25)
  Bottom Layer w0.152: v1(105.5,97.5) 106.025,98.025 106.025,98.802 106.776,99.553 Q51.1@106.776,100.002
DRV52: Q52.1 R57.2 U7.V1 | length 40.2
  Top Layer w0.152: v1(135.069,101.431) 135.632,101.994 137.473,101.994 U7.V1@137.5,102.021
  Inner4 w0.152: v1(105.868,91.935) 107.915,89.888 123.388,89.888 134.161,100.661 134.568,100.661 135.053,101.146 135.053,101.415 v1(135.069,101.431)
  Bottom Layer w0.152: v1(105.868,91.935) Q52.1@106.589,91.214 ; R57.2@106.025,89.5 106.776,90.251 Q52.1@106.776,90.7